# Altium PCB MFC-Card-Template.PcbDoc (part 1 of 4) (continued)
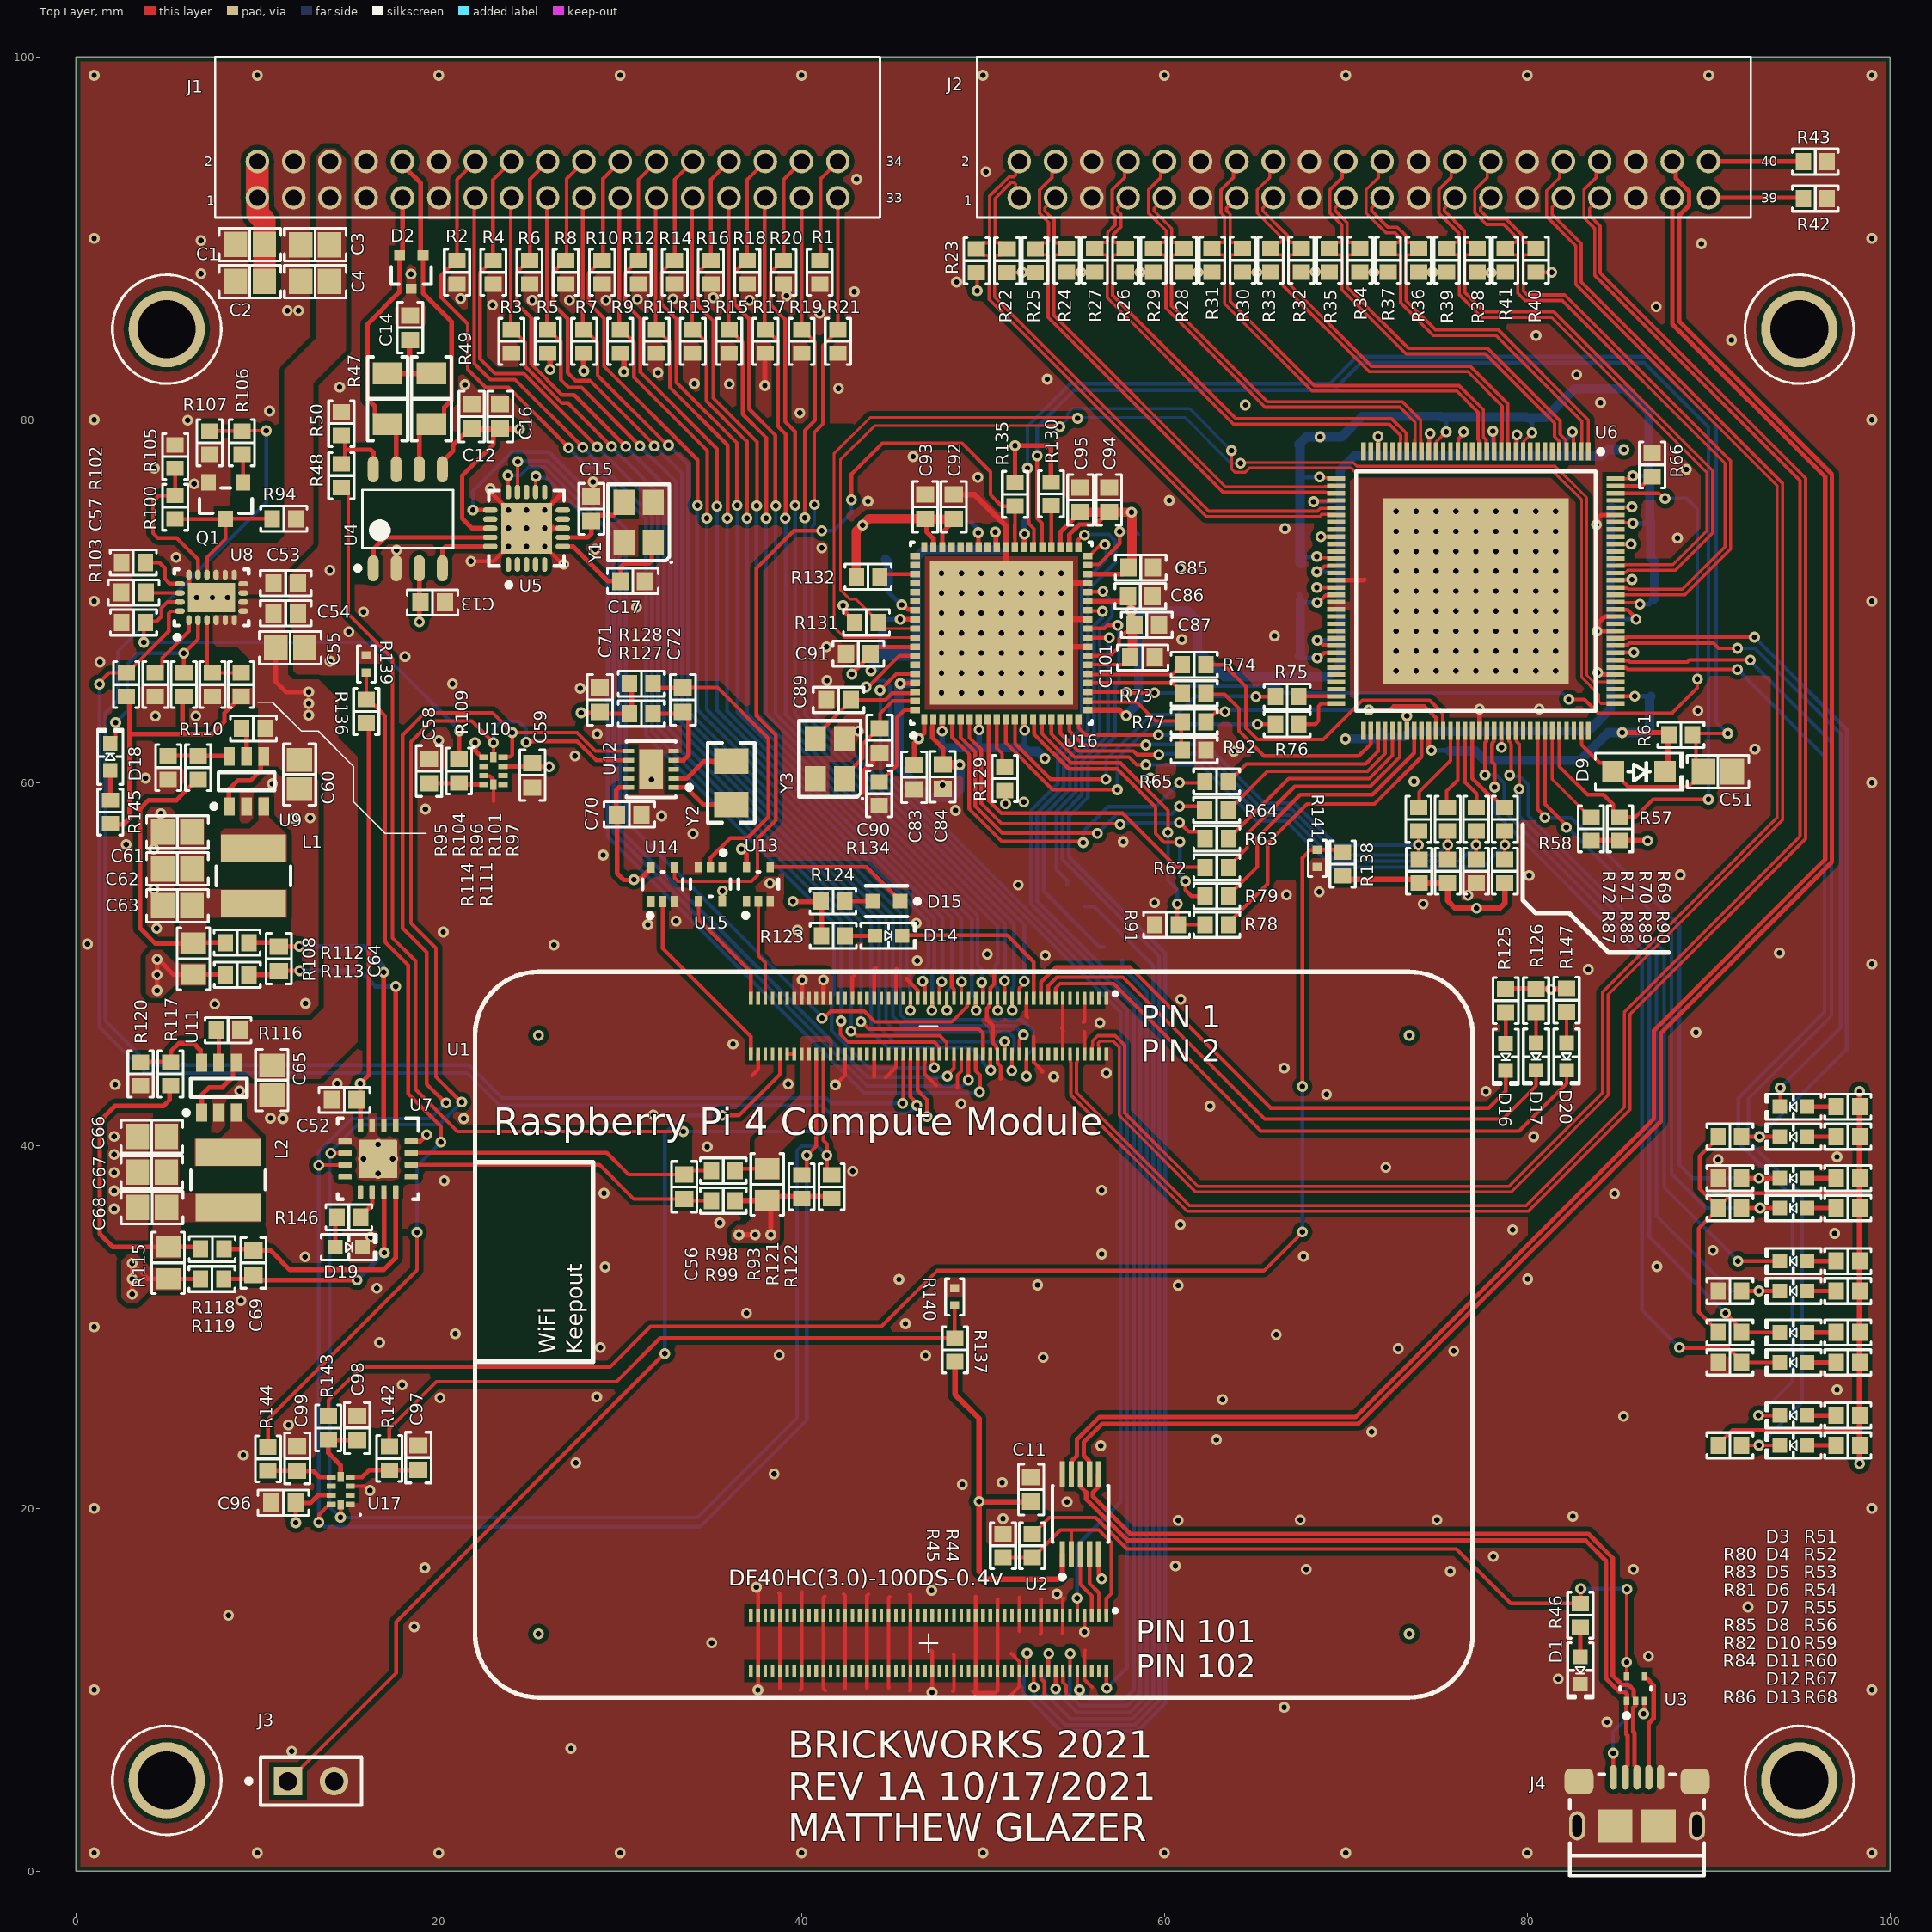
[diagram p0: Top Layer view]
## Classes and differential pairs
differential pair class DIFF100: ETH1_RX ETH1_TX ETH2_RX ETH2_TX ETH3_RX ETH3_TX ETH4_RX ETH4_TX ETH5_RX ETH5_TX ETH6_RX ETH6_TX
differential pair class DIFF90: USB1_D USB2_D
component class Sensors: C96 C97 C98 C99 R136 R137 R138 R139 R140 R141 R142 R143 R144 U17
component class Power-Supplies: C52 C53 C54 C55 C56 C57 C58 C59 C60 C61 C62 C63 C64 C65 C66 C67 C68 C69 D18 D19 L1 L2 Q1 R93 R94 R95 R96 R97 R98 R99 R100 R101 R102 R103 R104 R105 R106 R107 R108 R109 R110 R111 R112 R113 R114 R115 R116 R117 R118 R119 R120 R145 R146 U7 U8 U9 U10 U11
component class NetworkSwitch: C18 C19 C20 C21 C22 C23 C24 C25 C26 C27 C28 C29 C30 C31 C32 C33 C34 C35 C36 C37 C38 C39 C40 C41 C42 C43 C44 C45 C46 C47 C48 C49 C50 C51 D3 D4 D5 D6 D7 D8 D9 D10 D11 D12 D13 R51 R52 R53 R54 R55 R56 R57 R58 R59 R60 R61 R66 R67 R68 R69 R70 R71 R72 R73 R74 R75 R76 R77 R78 R79 R80 R81 R82 R83 R84 R85 R86 R87 R88 R89 R90 R91 R92 U6
component class Interfaces: C1 C2 C3 C4 C11 D1 J1 J2 J3 J4 R1 R2 R3 R4 R5 R6 R7 R8 R9 R10 R11 R12 R13 R14 R15 R16 R17 R18 R19 R20 R21 R22 R23 R24 R25 R26 R27 R28 R29 R30 R31 R32 R33 R34 R35 R36 R37 R38 R39 R40 R41 R42 R43 R44 R45 R46 U2 U3
component class EthernetBridge: C5 C6 C10 C73 C74 C75 C76 C77 C78 C79 C80 C81 C82 C83 C84 C85 C86 C87 C88 C89 C90 C91 C92 C93 C94 C95 C100 C101 R62 R63 R64 R65 R129 R130 R131 R132 R133 R134 R135 U16 Y3
component class ComputeModule: C70 C71 C72 D14 D15 D16 D17 D20 R121 R122 R123 R124 R125 R126 R127 R128 R147 U1 U12 U13 U14 U15 Y2
component class CANbus: C12 C13 C14 C15 C16 C17 D2 R47 R48 R49 R50 U4 U5 Y1
differential pair USB2_D: +USB2_D_P -USB2_D_N
differential pair USB1_D: +USB1_D_P -USB1_D_N
differential pair ETH6_TX: +ETH6_TX_P -ETH6_TX_N
differential pair ETH6_RX: +ETH6_RX_P -ETH6_RX_N
differential pair ETH5_TX: +ETH5_TX_P -ETH5_TX_N
differential pair ETH5_RX: +ETH5_RX_P -ETH5_RX_N
differential pair ETH4_TX: +ETH4_TX_P -ETH4_TX_N
differential pair ETH4_RX: +ETH4_RX_P -ETH4_RX_N
differential pair ETH3_TX: +ETH3_TX_P -ETH3_TX_N
differential pair ETH3_RX: +ETH3_RX_P -ETH3_RX_N
differential pair ETH2_TX: +ETH2_TX_P -ETH2_TX_N
differential pair ETH2_RX: +ETH2_RX_P -ETH2_RX_N
differential pair ETH1_TX: +ETH1_TX_P -ETH1_TX_N
differential pair ETH1_RX: +ETH1_RX_P -ETH1_RX_N

## Components (designator, comment, footprint, x,y, rotation, side; value= is the part's Value field where it differs from the comment)
C1 "10µF" "CAP 0805_2012" 9.583,89.665 r0 top
C2 "10µF" "CAP 0805_2012" 9.583,87.633 r0 top
C3 "10µF" "CAP 0805_2012" 13.183,89.662 r0 top
C4 "10µF" "CAP 0805_2012" 13.183,87.63 r0 top
C5 "0.1µF" "CAP 0603_1608" 57.201,50.698 r135 bottom
C6 "0.1µF" "CAP 0603_1608" 55.143,53.645 r135 bottom
C10 "0.1µF" "CAP 0603_1608" 52.324,75.159 r270 bottom
C11 "0.1µF" "CAP 0603_1608" 52.654,21.031 r270 top
C12 "0.1µF" "CAP 0603_1608" 21.81,80.188 r270 top
C13 "0.1µF" "CAP 0603_1608" 19.655,69.936 r180 top
C14 "4700pF" "CAP 0603_1608" 18.415,85.086 r90 top
C15 "20pF" "CAP 0603_1608" 28.406,75.095 r270 top
C16 "0.1µF" "CAP 0603_1608" 23.377,80.188 r270 top
C17 "20pF" "CAP 0603_1608" 30.691,71.112 r180 top
C18 "10µF" "CAP 0805_2012" 87.472,62.765 r180 bottom
C19 "0.1µF" "CAP 0603_1608" 87.605,64.77 r180 bottom
C20 "0.1µF" "CAP 0603_1608" 75.717,61.087 r90 bottom
C21 "0.1µF" "CAP 0603_1608" 66.751,67.005 r0 bottom
C22 "0.1µF" "CAP 0603_1608" 66.7,70.409 r0 bottom
C23 "22µF" "CAP 0805_2012" 84.074,78.791 r270 bottom
C24 "0.1µF" "CAP 0603_1608" 83.922,75.184 r0 bottom
C25 "0.1µF" "CAP 0603_1608" 83.922,73.152 r0 bottom
C26 "0.1µF" "CAP 0603_1608" 83.922,71.145 r0 bottom
C27 "0.1µF" "CAP 0603_1608" 70.358,73.584 r180 bottom
C28 "0.1µF" "CAP 0603_1608" 70.383,75.209 r180 bottom
C29 "0.1µF" "CAP 0603_1608" 71.78,77.394 r90 bottom
C30 "0.1µF" "CAP 0603_1608" 76.175,77.343 r90 bottom
C31 "0.1µF" "CAP 0603_1608" 77.902,77.343 r90 bottom
C32 "0.1µF" "CAP 0603_1608" 82.093,77.267 r90 bottom
C33 "22µF" "CAP 0805_2012" 66.599,78.638 r0 bottom
C34 "0.1µF" "CAP 0603_1608" 87.401,76.911 r180 bottom
C35 "0.1µF" "CAP 0603_1608" 87.478,74.371 r180 bottom
C36 "0.1µF" "CAP 0603_1608" 87.706,69.977 r180 bottom
C37 "0.1µF" "CAP 0603_1608" 66.7,72.06 r0 bottom
C38 "0.1µF" "CAP 0603_1608" 66.904,76.784 r0 bottom
C39 "0.1µF" "CAP 0603_1608" 75.235,80.874 r270 bottom
C40 "0.1µF" "CAP 0603_1608" 79.985,80.797 r270 bottom
C41 "22µF" "CAP 0805_2012" 71.653,61.62 r90 bottom
C42 "0.1µF" "CAP 0603_1608" 83.922,69.393 r0 bottom
C43 "0.1µF" "CAP 0603_1608" 83.922,67.132 r0 bottom
C44 "0.1µF" "CAP 0603_1608" 73.381,61.976 r90 bottom
C45 "0.1µF" "CAP 0603_1608" 78.588,63.5 r270 bottom
C46 "0.1µF" "CAP 0603_1608" 70.409,67.818 r180 bottom
C47 "0.1µF" "CAP 0603_1608" 70.383,70.409 r180 bottom
C48 "0.1µF" "CAP 0603_1608" 70.383,71.984 r180 bottom
C49 "0.1µF" "CAP 0603_1608" 74.574,77.343 r90 bottom
C50 "0.1µF" "CAP 0603_1608" 79.502,77.343 r90 bottom
C51 "10µF" "CAP 0805_2012" 90.52,60.606 r180 top
C52 "0.1µF" "CAP 0603_1608" 14.788,42.517 r0 top
C53 "0.1µF" "CAP 0603_1608" 11.557,70.993 r180 top
C54 "0.1µF" "CAP 0603_1608" 11.557,69.342 r180 top
C55 "10µF" "CAP 0805_2012" 11.811,67.437 r180 top
C56 "0.1µF" "CAP 0603_1608" 33.528,37.719 r90 top
C57 "1500pF" "CAP 0603_1608" 3.175,70.485 r0 top
C58 "0.47µF" "CAP 0603_1608" 19.456,60.643 r270 top
C59 "0.1µF" "CAP 0603_1608" 25.159,60.413 r90 top
C60 "10µF" "CAP 0805_2012" 12.319,60.452 r90 top
C61 "10µF" "CAP 0805_2012" 5.588,57.277 r0 top
C62 "10µF" "CAP 0805_2012" 5.588,55.245 r0 top
C63 "10µF" "CAP 0805_2012" 5.588,53.213 r0 top
C64 "0.1µF" "CAP 0603_1608" 11.176,50.292 r90 top
C65 "10µF" "CAP 0805_2012" 10.795,43.599 r90 top
C66 "10µF" "CAP 0805_2012" 4.179,40.486 r0 top
C67 "10µF" "CAP 0805_2012" 4.179,38.527 r0 top
C68 "10µF" "CAP 0805_2012" 4.191,36.576 r0 top
C69 "0.1µF" "CAP 0603_1608" 9.779,33.528 r90 top
C70 "0.1µF" "CAP 0603_1608" 30.501,58.243 r180 top
C71 "0.1µF" "CAP 0603_1608" 28.88,64.567 r90 top
C72 "0.1µF" "CAP 0603_1608" 33.452,64.567 r270 top
C73 "10µF" "CAP 0805_2012" 43.828,72.314 r0 bottom
C74 "0.1µF" "CAP 0603_1608" 44.12,70.536 r0 bottom
C75 "0.1µF" "CAP 0603_1608" 49.174,75.159 r270 bottom
C76 "22µF" "CAP 0805_2012" 59.385,66.421 r180 bottom
C77 "0.1µF" "CAP 0603_1608" 59.258,68.148 r180 bottom
C78 "0.1µF" "CAP 0603_1608" 52.273,61.239 r90 bottom
C79 "0.1µF" "CAP 0603_1608" 49.784,61.239 r90 bottom
C80 "10µF" "CAP 0805_2012" 43.561,67.335 r0 bottom
C81 "0.1µF" "CAP 0603_1608" 43.79,69.063 r0 bottom
C82 "0.1µF" "CAP 0603_1608" 51.638,72.72 r180 bottom
C83 "0.1µF" "CAP 0603_1608" 46.203,60.3 r90 top
C84 "0.1µF" "CAP 0603_1608" 47.777,60.325 r90 top
C85 "0.1µF" "CAP 0603_1608" 58.699,71.857 r180 top
C86 "0.1µF" "CAP 0603_1608" 58.674,70.282 r180 top
C87 "0.1µF" "CAP 0603_1608" 59.03,68.707 r180 top
C88 "0.1µF" "CAP 0603_1608" 46.304,64.846 r90 bottom
C89 "24pF" "CAP 0603_1608" 42.037,64.567 r180 top
C90 "24pF" "CAP 0603_1608" 44.298,62.332 r270 top
C91 "0.1µF" "CAP 0603_1608" 43.129,67.107 r0 top
C92 "0.1µF" "CAP 0603_1608" 48.387,75.209 r270 top
C93 "0.1µF" "CAP 0603_1608" 46.812,75.209 r270 top
C94 "0.1µF" "CAP 0603_1608" 56.947,75.59 r270 top
C95 "0.1µF" "CAP 0603_1608" 55.372,75.59 r270 top
C96 "0.1µF" "CAP 0603_1608" 11.428,20.308 r0 top
C97 "0.47µF" "CAP 0603_1608" 18.872,22.79 r270 top
C98 "0.47µF" "CAP 0603_1608" 15.494,24.424 r270 top
C99 "0.47µF" "CAP 0603_1608" 12.192,22.748 r270 top
C100 "0.1µF" "CAP 0603_1608" 47.777,61.25 r90 bottom
C101 "0.1µF" "CAP 0603_1608" 58.801,66.904 r180 top
D1 "Green" "LED 0603_1608 GREEN" 82.931,11.061 r270 top
D2 "PESD1CAN-UX" FP-SOT323-MFG 18.48,88.155 r270 top
D3 "Yellow" "LED 0603_1608 YELLOW" 94.679,42.139 r180 top
D4 "Green" "LED 0603_1608 GREEN" 94.679,40.488 r180 top
D5 "Yellow" "LED 0603_1608 YELLOW" 94.679,38.202 r180 top
D6 "Green" "LED 0603_1608 GREEN" 94.679,36.551 r180 top
D7 "Yellow" "LED 0603_1608 YELLOW" 94.679,33.63 r180 top
D8 "Green" "LED 0603_1608 GREEN" 94.679,31.979 r180 top
D9 "1N4148W RHG" SOD123F 86.169,60.606 r0 top
D10 "Yellow" "LED 0603_1608 YELLOW" 94.679,29.693 r180 top
D11 "Green" "LED 0603_1608 GREEN" 94.679,28.042 r180 top
D12 "Yellow" "LED 0603_1608 YELLOW" 94.679,25.121 r180 top
D13 "Green" "LED 0603_1608 GREEN" 94.679,23.47 r180 top
D14 "Green" "LED 0603_1608 GREEN" 44.792,51.562 r0 top
D15 "LTST-C190KFKT" FP-LTST-C190KFKT-MFG 44.679,53.467 r180 top
D16 "Yellow" "LED 0603_1608 YELLOW" 78.816,44.882 r270 top
D17 "Yellow" "LED 0603_1608 YELLOW" 80.493,44.894 r270 top
D18 "Green" "LED 0603_1608 GREEN" 1.888,61.429 r90 top
D19 "Green" "LED 0603_1608 GREEN" 15.042,34.389 r0 top
D20 "Green" "LED 0603_1608 GREEN" 82.169,44.895 r270 top
J1 "0878333420" 0878333420 10,94.25 r0 top
J2 "0878334020" 0878334020 52,94.25 r0 top
J3 "M20-9990246" FP-M20-9990246-MFG 12.954,4.953 r0 top
J4 "10118193-0001LF" "FCI USB 10118193-0001LF" 86.055,2.54 r180 top
L1 "2.2µH" "BOURNS SRN4018" 9.779,54.864 r270 top
L2 "2.2µH" "BOURNS SRN4018" 8.382,38.1 r270 top
Q1 "NTR4003NT1G" "ON SEMI SOT-23-3" 8.255,75.549 r270 top
R1 "10 kOhms" "RES 0603_1608" 41,88.138 r270 top
R2 "10 kOhms" "RES 0603_1608" 21,88.138 r90 top
R3 "10 kOhms" "RES 0603_1608" 24,84.328 r90 top
R4 "10 kOhms" "RES 0603_1608" 23,88.138 r90 top
R5 "10 kOhms" "RES 0603_1608" 26,84.328 r90 top
R6 "10 kOhms" "RES 0603_1608" 25,88.138 r90 top
R7 "10 kOhms" "RES 0603_1608" 28,84.328 r90 top
R8 "10 kOhms" "RES 0603_1608" 27,88.138 r90 top
R9 "10 kOhms" "RES 0603_1608" 30,84.328 r90 top
R10 "10 kOhms" "RES 0603_1608" 29,88.138 r90 top
R11 "10 kOhms" "RES 0603_1608" 32,84.328 r90 top
R12 "10 kOhms" "RES 0603_1608" 31,88.138 r90 top
R13 "10 kOhms" "RES 0603_1608" 34,84.328 r90 top
R14 "10 kOhms" "RES 0603_1608" 33,88.138 r90 top
R15 "10 kOhms" "RES 0603_1608" 36,84.328 r90 top
R16 "10 kOhms" "RES 0603_1608" 35,88.138 r90 top
R17 "10 kOhms" "RES 0603_1608" 38,84.328 r90 top
R18 "10 kOhms" "RES 0603_1608" 37,88.138 r90 top
R19 "10 kOhms" "RES 0603_1608" 40,84.328 r90 top
R20 "10 kOhms" "RES 0603_1608" 39,88.138 r90 top
R21 "10 kOhms" "RES 0603_1608" 42,84.328 r90 top
R22 "40.2 Ohms" "RES 0603_1608" 51.327,88.773 r270 top
R23 "40.2 Ohms" "RES 0603_1608" 49.642,88.773 r270 top
R24 "40.2 Ohms" "RES 0603_1608" 54.611,88.798 r270 top
R25 "40.2 Ohms" "RES 0603_1608" 52.876,88.773 r270 top
R26 "40.2 Ohms" "RES 0603_1608" 57.845,88.798 r270 top
R27 "40.2 Ohms" "RES 0603_1608" 56.161,88.798 r270 top
R28 "40.2 Ohms" "RES 0603_1608" 61.079,88.798 r270 top
R29 "40.2 Ohms" "RES 0603_1608" 59.395,88.798 r270 top
R30 "40.2 Ohms" "RES 0603_1608" 64.313,88.798 r270 top
R31 "40.2 Ohms" "RES 0603_1608" 62.628,88.798 r270 top
R32 "40.2 Ohms" "RES 0603_1608" 67.547,88.798 r270 top
R33 "40.2 Ohms" "RES 0603_1608" 65.862,88.798 r270 top
R34 "40.2 Ohms" "RES 0603_1608" 70.78,88.798 r270 top
R35 "40.2 Ohms" "RES 0603_1608" 69.096,88.798 r270 top
R36 "40.2 Ohms" "RES 0603_1608" 74.014,88.798 r270 top
R37 "40.2 Ohms" "RES 0603_1608" 72.33,88.798 r270 top
R38 "40.2 Ohms" "RES 0603_1608" 77.248,88.798 r270 top
R39 "40.2 Ohms" "RES 0603_1608" 75.564,88.798 r270 top
R40 "40.2 Ohms" "RES 0603_1608" 80.481,88.798 r270 top
R41 "40.2 Ohms" "RES 0603_1608" 78.797,88.798 r270 top
R42 "10 kOhms" "RES 0603_1608" 95.885,92.202 r0 top
R43 "10 kOhms" "RES 0603_1608" 95.885,94.234 r0 top
R44 "2.1 kOhms" "RES 0603_1608" 52.705,17.932 r90 top
R45 "2.1 kOhms" "RES 0603_1608" 51.105,17.932 r270 top
R46 "590 Ohms" "RES 0603_1608" 82.931,14.105 r90 top
R47 "60.4 Ohms" "RES 1206_3216" 17.174,81.168 r270 top
R48 "100 Ohms" "RES 0603_1608" 14.627,76.923 r270 top
R49 "60.4 Ohms" "RES 1206_3216" 19.59,81.168 r90 top
R50 "10 kOhms" "RES 0603_1608" 14.627,79.797 r270 top
R51 "240 Ohms" "RES 0603_1608" 97.679,42.139 r0 top
R52 "240 Ohms" "RES 0603_1608" 97.679,40.488 r0 top
R53 "240 Ohms" "RES 0603_1608" 97.679,38.202 r0 top
R54 "240 Ohms" "RES 0603_1608" 97.679,36.551 r0 top
R55 "240 Ohms" "RES 0603_1608" 97.679,33.63 r0 top
R56 "240 Ohms" "RES 0603_1608" 97.679,31.979 r0 top
R57 "10 kOhms" "RES 0603_1608" 85.115,57.455 r270 top
R58 "10 kOhms" "RES 0603_1608" 83.515,57.455 r270 top
R59 "240 Ohms" "RES 0603_1608" 97.679,29.693 r0 top
R60 "240 Ohms" "RES 0603_1608" 97.679,28.042 r0 top
R61 "10 kOhms" "RES 0603_1608" 88.473,62.638 r180 top
R62 "22 Ohms" "RES 0603_1608" 62.89,55.321 r0 top
R63 "22 Ohms" "RES 0603_1608" 62.89,56.921 r0 top
R64 "22 Ohms" "RES 0603_1608" 62.875,58.496 r0 top
R65 "22 Ohms" "RES 0603_1608" 62.88,60.071 r0 top
R66 "6.04 kOhms" "RES 0603_1608" 86.893,77.521 r270 top
R67 "240 Ohms" "RES 0603_1608" 97.679,25.121 r0 top
R68 "240 Ohms" "RES 0603_1608" 97.679,23.47 r0 top
R69 "22 Ohms" "RES 0603_1608" 78.765,57.978 r90 top
R70 "22 Ohms" "RES 0603_1608" 77.191,57.978 r90 top
R71 "22 Ohms" "RES 0603_1608" 75.616,57.978 r90 top
R72 "22 Ohms" "RES 0603_1608" 74.016,57.978 r90 top
R73 "22 Ohms" "RES 0603_1608" 61.646,64.922 r0 top
R74 "22 Ohms" "RES 0603_1608" 61.646,66.497 r0 top
R75 "22 Ohms" "RES 0603_1608" 66.771,64.746 r0 top
R76 "22 Ohms" "RES 0603_1608" 66.771,63.222 r0 top
R77 "22 Ohms" "RES 0603_1608" 61.646,63.348 r0 top
R78 "22 Ohms" "RES 0603_1608" 62.89,52.172 r0 top
R79 "22 Ohms" "RES 0603_1608" 62.89,53.746 r0 top
R80 "10 kOhms" "RES 0603_1608" 91.179,40.488 r0 top
R81 "10 kOhms" "RES 0603_1608" 91.179,36.551 r0 top
R82 "10 kOhms" "RES 0603_1608" 91.179,29.693 r0 top
R83 "1 kOhms" "RES 0603_1608" 91.179,38.202 r0 top
R84 "1 kOhms" "RES 0603_1608" 91.179,28.042 r0 top
R85 "1 kOhms" "RES 0603_1608" 91.179,31.979 r0 top
R86 "10 kOhms" "RES 0603_1608" 91.179,23.47 r0 top
R87 "10 kOhms" "RES 0603_1608" 74.041,55.118 r90 top
R88 "10 kOhms" "RES 0603_1608" 75.616,55.118 r90 top
R89 "1 kOhms" "RES 0603_1608" 77.191,55.118 r90 top
R90 "10 kOhms" "RES 0603_1608" 78.765,55.118 r90 top
R91 "1 kOhms" "RES 0603_1608" 60.122,52.172 r0 top
R92 "1 kOhms" "RES 0603_1608" 61.646,61.798 r180 top
R93 "240 mOhms" "RES 0805_2012" 38.1,37.846 r270 top
R94 "140 kOhms" "RES 0603_1608" 11.455,74.549 r0 top
R95 "10 kOhms" "RES 0603_1608" 2.769,65.405 r270 top
R96 "10 kOhms" "RES 0603_1608" 5.944,65.405 r270 top
R97 "180 kOhms" "RES 0603_1608" 9.093,65.405 r270 top
R98 "10 Ohms" "RES 0603_1608" 35.687,38.608 r0 top
R99 "10 Ohms" "RES 0603_1608" 35.687,36.957 r0 top
R100 "7.15 kOhms" "RES 0603_1608" 5.461,75.184 r270 top
R101 "47.5 kOhms" "RES 0603_1608" 7.518,65.405 r90 top
R102 "44.2 kOhms" "RES 0603_1608" 3.16,72.136 r0 top
R103 "9.1 kOhms" "RES 0603_1608" 3.175,68.834 r0 top
R104 "10 kOhms" "RES 0603_1608" 4.369,65.405 r90 top
R105 "32.4 kOhms" "RES 0603_1608" 5.461,77.978 r270 top
R106 "50 Ohms" "RES 0603_1608" 9.144,78.74 r90 top
R107 "10 kOhms" "RES 0603_1608" 7.366,78.74 r90 top
R108 "240 mOhms" "RES 0805_2012" 6.477,50.292 r270 top
R109 "680 Ohms" "RES 0603_1608" 21.107,60.643 r270 top
R110 "10 kOhms" "RES 0603_1608" 9.779,62.992 r0 top
R111 "316 kOhms" "RES 0603_1608" 6.731,60.833 r270 top
R112 "10 Ohms" "RES 0603_1608" 8.875,51.181 r180 top
R113 "10 Ohms" "RES 0603_1608" 8.89,49.403 r180 top
R114 "100 kOhms" "RES 0603_1608" 5.08,60.833 r90 top
R115 "75 mOhms" "RES 0805_2012" 5.08,33.528 r270 top
R116 "10 kOhms" "RES 0603_1608" 8.382,46.355 r0 top
R117 "100 kOhms" "RES 0603_1608" 5.207,43.942 r270 top
R118 "10 Ohms" "RES 0603_1608" 7.508,34.29 r180 top
R119 "10 Ohms" "RES 0603_1608" 7.493,32.639 r180 top
R120 "100 kOhms" "RES 0603_1608" 3.556,43.942 r90 top
R121 "4.7 kOhms" "RES 0603_1608" 40.005,37.719 r270 top
R122 "4.7 kOhms" "RES 0603_1608" 41.656,37.719 r270 top
R123 "1 kOhms" "RES 0603_1608" 41.744,51.562 r0 top
R124 "1 kOhms" "RES 0603_1608" 41.732,53.467 r0 top
R125 "470 Ohms" "RES 0603_1608" 78.816,47.983 r90 top
R126 "470 Ohms" "RES 0603_1608" 80.493,47.991 r90 top
R127 "510 kOhms" "RES 0603_1608" 31.166,63.805 r180 top
R128 "510 kOhms" "RES 0603_1608" 31.166,65.456 r180 top
R129 "10 kOhms" "RES 0603_1608" 51.206,60.223 r270 top
R130 "330 Ohms" "RES 0603_1608" 53.746,75.921 r270 top
R131 "10 kOhms" "RES 0603_1608" 43.571,68.834 r180 top
R132 "330 Ohms" "RES 0603_1608" 43.663,71.349 r180 top
R133 "200 Ohms" "RES 0603_1608" 59.222,73.685 r180 bottom
R134 "6.04 kOhms" "RES 0603_1608" 44.272,59.385 r90 top
R135 "10 kOhms" "RES 0603_1608" 51.765,75.895 r90 top
R136 "10 kOhms" "RES 0603_1608" 15.998,63.929 r270 top
R137 "10 kOhms" "RES 0603_1608" 48.453,28.732 r270 top
R138 "10 kOhms" "RES 0603_1608" 69.825,55.514 r270 top
R139 "10 kOhms" "PTC 0402_1005" 15.998,66.541 r270 top
R140 "10 kOhms" "PTC 0402_1005" 48.438,31.648 r270 top
R141 "10 kOhms" "PTC 0402_1005" 68.428,55.829 r90 top
R142 "680 Ohms" "RES 0603_1608" 17.272,22.748 r270 top
R143 "680 Ohms" "RES 0603_1608" 13.909,24.422 r270 top
R144 "680 Ohms" "RES 0603_1608" 10.579,22.724 r270 top
R145 "1 kOhms" "RES 0603_1608" 1.888,58.381 r90 top
R146 "1 kOhms" "RES 0603_1608" 15.042,36.04 r0 top
R147 "470 Ohms" "RES 0603_1608" 82.169,48.006 r90 top
U1 "SCH - SOM - RASPBERRY PI - COMPUTE MODULE 4" "PCB - SOM - PI4 COMPUTE MODULE" 22,9.571 r0 top locked
U2 "FSUSB42MUX" FP-846AP-MFG 55.372,19.685 r90 top
U3 "TPD3E001DRLR" FP-DRL0005A-MFG 85.979,10.058 r0 top
U4 "SCH - INTERFACE - CAN - TI TCAN1051V" "PCB - LEADS - SOIC - TI SOIC-8" 18.288,74.549 r90 top
U5 "MCP2515T-I/ML" FP-C04-126-MFG 24.834,74.026 r90 top
U6 "SCH - INTERFACE - ETHERNET - TRANSCEIVER - Microchip KSZ9896" "PCB - LEADS - QFP - Microchip 128-TQFP" 77.175,70.559 r270 top
U7 "INA3221AIRGVT" RGV0016A_V 16.652,39.262 r270 top
U8 "SCH - POWER - EFUSE - TPS25942A" "PCB - LEADLESS - QFN - TI 20-WQFN" 7.473,70.211 r90 top
U9 "SCH - REGULATOR - BUCK - TI TLV62569PDDC" "PCB - LEADS - SOT- TI TSOT-23-6" 9.398,60.071 r90 top
U10 "SCH - DATA ACQUISITION - ADC - TI TLA2022" "PCB - LEADLESS - QFN - TI X2QFN-10" 23.012,60.643 r0 top
U11 "SCH - REGULATOR - BUCK - TI TLV62569PDDC" "PCB - LEADS - SOT- TI TSOT-23-6" 7.874,43.18 r90 top
U12 "PCF85063ATL/1,118" FP-SOT1197-1-MFG 31.706,60.741 r180 top
U13 "74LVC1G07SE-7" FP-SOT353-MFG 37.617,54.407 r90 top
U14 "74LVC1G07SE-7" FP-SOT353-MFG 32.345,54.397 r90 top
U15 "74LVC1G07SE-7" FP-SOT353-MFG 34.976,54.407 r270 top
U16 "SCH - CONTROLLER - ETHERNET - MICROCHIP LAN7431" "PCB - LEADLESS - QFN - MICROCHIP 72-SQFN" 51.012,68.25 r90 top
U17 "SCH - DATA ACQUISITION - ADC - TI TLA2024" "PCB - LEADLESS - QFN - TI X2QFN-10" 14.588,20.966 r180 top